# Altium PCB uZed_breakout.PcbDoc (part 2 of 5)
Units mm, origin at the board's own origin, x right, y up, seen from the top; angles counter-clockwise.
Board outline 101.6 x 80.24 mm, 4 copper layers (Top Layer, Layer 1, Layer 2, Bottom Layer), stack 0.603 mm thick; 63 components, 141 nets, 670 pads, 2215 vias.
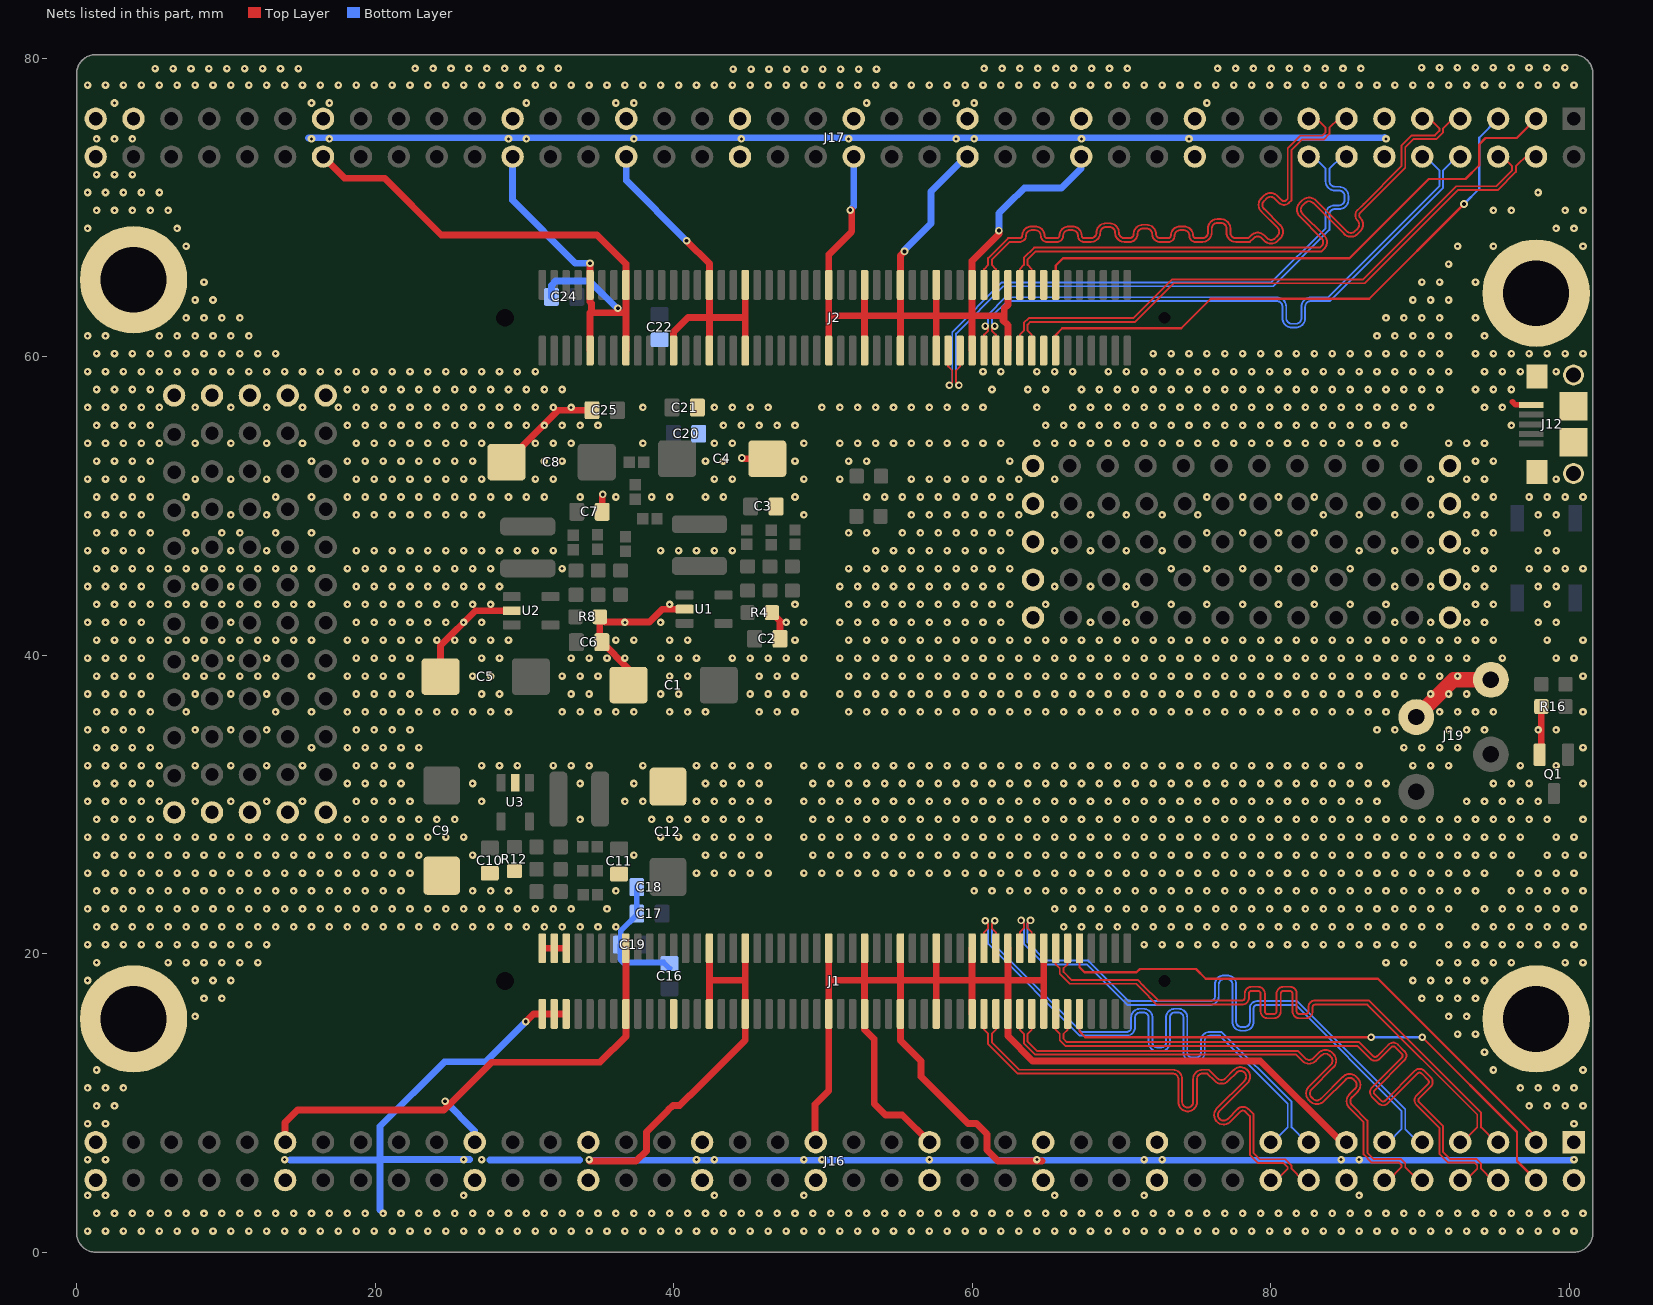
[diagram p4: the nets of this part, all layers, seen from the top]

## Via types
v1: diameter 0.508, hole 0.2, Top Layer to Bottom Layer, tented both sides, 2131 vias
v2: diameter 0.508, hole 0.254, Top Layer to Bottom Layer, tented both sides, 78 vias
v3: diameter 0.711, hole 0.381, Top Layer to Bottom Layer, tented both sides, 5 vias
v4: diameter 0.762, hole 0.381, Top Layer to Bottom Layer, tented both sides, 1 vias

## Nets (pads, with @x,y where several pads share a name; then routed paths per layer and width w, separated by ;. In a path a pad name is that pad's centre, name@x,y a point inside that pad or via, vN(x,y) a via of type N, cw(c..) or ccw(c..) an arc to the next point about the centre after c; other vN are vias at no path point) (continued)
GND: C1.2 C2.1 C3.1 C4.2 C5.2 C6.1 C7.1 C8.2 C9.2 C10.1 C11.1 C12.2 C16.1 C17.1 C18.1 C19.1 C20.1 C21.1 C22.1 C24.1 C25.1 J1.15 J1.16 J1.21 J1.22 J1.27 J1.28 J1.33 J1.34 J1.39 J1.40 J1.45 J1.46 J1.51 J1.52 J1.65 J1.66 J1.71 J1.72 J1.77 J1.85 J1.86 J1.95 J1.96 J1.97 J1.98 J1.99 J1.100 J2.15 J2.16 J2.21 J2.22 J2.27 J2.28 J2.33 J2.34 J2.39 J2.40 J2.45 J2.46 J2.51 J2.52 J2.65 J2.66 J2.71 J2.72 J2.77 J2.85 J2.86 J2.91 J2.92 J12.5 J12.6 J12.7 J12.8 J12.9 J16.1 J16.2 J16.13 J16.14 J16.23 J16.24 J16.29 J16.30 J16.35 J16.36 J16.41 J16.42 J16.47 J16.48 J16.53 J16.54 J16.59 J16.60 J16.69 J16.70 J16.79 J16.80 J17.11 J17.12 J17.21 J17.22 J17.27 J17.28 J17.33 J17.34 J17.39 J17.40 J17.45 J17.46 J17.51 J17.52 J17.57 J17.58 J17.67 J17.68 J17.77 J17.79 J17.80 J19.1 pad.0@3.81,15.621 pad.0@6.528,29.464 pad.0@6.528,57.404 pad.0@9.068,29.464 pad.0@9.068,57.404 pad.0@11.608,29.464 pad.0@11.608,57.404 pad.0@14.148,29.464 pad.0@14.148,57.404 pad.0@16.688,29.464 pad.0@16.688,57.404 pad.0@64.084,42.52 pad.0@64.084,45.06 pad.0@64.084,47.6 pad.0@64.084,50.14 pad.0@64.084,52.68 pad.0@92.024,42.52 pad.0@92.024,45.06 pad.0@92.024,47.6 pad.0@92.024,50.14 pad.0@92.024,52.68 pad.1 pad.2 pad.3 Q1.2 R4.2 R8.1 R12.2 R16.2 U1.2 U2.2 U3.2 | length 553.6
  Top Layer w0.127: J17.21@74.93,75.946 J17.21@75.235,75.946 ; J17.11@87.63,75.946 J17.11@88.214,75.946
  Top Layer w0.381: 96.215,56.972 96.416,56.772 J12.5@97.48,56.772
  Top Layer w0.457: J16.69@13.97,7.366 13.97,8.687 14.808,9.525 24.62,9.525 24.934,9.839 24.689,10.084 v2(24.689,10.109) ; J17.68@16.51,73.406 17.958,71.958 20.633,71.958 24.431,68.161 34.863,68.161 36.8,66.224 J2.86@36.8,64.811 36.8,62.992 ; C5.2@24.382,38.557 24.382,40.638 26.721,42.977 U2.2@29.155,42.977 ; 24.946,9.852 27.82,12.725 35.077,12.725 36.8,14.448 J1.85@36.8,15.961 J1.86@36.8,20.361 ; C8.2@28.801,52.934 32.281,56.413 C25.1@34.532,56.413 ; v2(30.099,15.443) 30.617,15.961 J1.99@31.2,15.961 J1.97@32,15.961 J1.95@32.8,15.961 ; J1.100@31.2,20.361 J1.98@32,20.361 J1.96@32.8,20.361 ; v1@34.366,6.096 37.49,6.096 38.176,6.782 38.176,8.052 38.672,8.547 38.684,8.547 39.637,9.5 39.637,9.512 39.954,9.83 40.41,9.83 41.07,10.49 41.097,10.49 44.8,14.193 J1.65@44.8,15.961 44.8,18.212 ; J2.91@34.4,60.411 34.4,62.95 ; v2(34.4,66.26) J2.92@34.4,64.811 34.4,63.686 34.392,63.678 34.493,63.576 34.493,63.043 34.4,62.95 ; C7.1@35.216,49.606 35.216,50.736 v2(35.255,50.775) ; J2.85@36.8,60.411 36.8,62.992 ; C1.2@36.98,37.998 36.98,39.079 C6.1@35.191,40.869 35.052,41.007 R8.1@35.052,42.57 35.408,42.215 38.379,42.215 39.243,43.078 U1.2@40.742,43.078 ; J2.77@40,60.411 40,61.666 40.97,62.636 42.4,62.636 ; v2(40.869,67.768) 42.4,66.236 J2.72@42.4,64.811 42.4,62.636 ; J1.71@42.4,15.961 42.4,18.339 ; J1.72@42.4,20.361 42.4,18.339 ; J2.71@42.4,60.411 42.4,62.636 ; v2(44.577,53.213) 44.628,53.162 C4.2@46.281,53.162 ; J1.66@44.8,20.361 44.8,18.212 ; J2.65@44.8,60.411 44.8,62.738 ; J2.66@44.8,64.811 44.8,62.738 ; R4.2@46.584,42.85 47.129,42.305 C2.1@47.129,41.097 ; J16.41@49.53,7.366 49.479,7.417 49.479,9.906 50.4,10.827 J1.51@50.4,15.961 50.4,18.212 ; J1.52@50.4,20.361 50.4,18.212 ; J2.51@50.4,60.411 50.4,62.713 ; v2(51.841,69.825) 51.943,69.825 51.943,68.402 50.4,66.859 J2.52@50.4,64.811 50.4,62.713 ; J1.46@52.8,20.361 52.8,18.212 ; J2.45@52.8,60.411 52.8,62.738 ; J2.46@52.8,64.811 52.8,62.738 ; J1.40@55.2,20.361 55.2,18.212 ; J2.39@55.2,60.411 55.2,62.738 ; v2(55.474,67.056) 55.2,66.782 J2.40@55.2,64.811 55.2,62.738 ; J16.35@57.15,7.366 55.321,9.195 54.204,9.195 53.442,9.957 53.442,14.275 52.8,14.916 J1.45@52.8,15.961 52.8,18.212 ; J1.33@57.6,15.961 57.6,18.212 ; J1.34@57.6,20.361 57.6,18.212 ; J2.33@57.6,60.411 57.6,62.738 ; J2.34@57.6,64.811 57.6,62.738 ; J1.27@60,15.961 60,18.212 ; J1.28@60,20.361 60,18.212 ; J2.27@60,60.411 60,62.738 ; v2(61.798,68.453) 61.798,68.224 60,66.426 J2.28@60,64.811 60,62.738 ; J1.22@62.4,20.361 62.4,18.212 ; J2.21@62.4,60.411 62.4,62.111 62.052,62.459 62.154,62.56 ; J2.22@62.4,64.811 62.4,63.467 62.154,63.221 62.154,62.56 ; 64.694,6.096 61.747,6.096 61.011,6.833 61.011,7.899 60.3,8.611 59.728,8.611 56.584,11.754 56.584,12.797 55.2,14.18 J1.39@55.2,15.961 55.2,18.212 ; J1.15@64.8,15.961 64.8,18.212 ; J1.16@64.8,20.361 64.8,18.212 ; J16.13@85.09,7.366 84.76,7.366 79.311,12.814 64.058,12.814 62.4,14.472 J1.21@62.4,15.961 62.4,18.212 ; Q1.2@98.034,33.329 98.145,33.44 R16.2@98.145,36.551 ; 34.4,62.95 36.758,62.95 36.8,62.992 ; 42.4,18.339 42.527,18.212 44.8,18.212 ; 42.4,62.636 44.698,62.636 44.8,62.738 ; 50.4,18.212 52.8,18.212 ; 50.4,62.713 50.425,62.738 52.8,62.738 ; 52.8,18.212 55.2,18.212 ; 52.8,62.738 55.2,62.738 ; 55.2,18.212 57.6,18.212 ; 55.2,62.738 57.6,62.738 ; 57.6,18.212 60,18.212 ; 57.6,62.738 60,62.738 ; 60,18.212 62.4,18.212 ; 60,62.738 61.976,62.738 62.154,62.56 ; 62.4,18.212 64.8,18.212
  Top Layer w1.016: J19.1@89.767,35.854 92.267,38.354 J19.1@94.767,38.354
  Bottom Layer w0.381: C18.1@37.529,24.46 C17.1@37.529,22.682 37.529,22.594 36.449,21.514 36.449,20.625 C19.1@36.424,20.599 36.424,19.609 36.627,19.406 39.331,19.406 C16.1@39.726,19.011
  Bottom Layer w0.457: 14.3,6.172 20.32,6.172 ; v1@15.545,74.651 v1@87.63,74.687 ; 20.32,2.819 20.32,6.172 ; v2(24.689,10.109) 26.67,8.128 J16.59@26.67,7.366 ; 26.34,6.198 20.32,6.198 ; 27.686,6.172 33.706,6.172 ; J17.58@29.21,73.406 29.21,70.485 33.435,66.26 v2(34.4,66.26) ; v2(30.099,15.443) 27.407,12.751 24.638,12.751 20.32,8.433 20.32,6.198 ; C24.1@31.814,64.008 31.814,64.784 32.093,65.062 34.379,65.062 36.195,63.246 v2(36.271,63.246) ; 34.671,6.147 v1@100.177,6.18 ; J17.52@36.83,73.406 36.83,71.806 v2(40.869,67.768) ; v2(51.841,69.825) 52.07,70.053 J17.40@52.07,73.406 ; v2(55.474,67.056) 55.474,67.145 57.252,68.923 57.252,71.069 59.588,73.406 J17.34@59.69,73.406 ; v2(61.798,68.453) 61.798,69.614 62.402,70.217 62.419,70.217 63.5,71.298 65.989,71.298 67.31,72.619 J17.28@67.31,73.406 ; 20.32,6.172 20.32,6.198
  other v1: 0.735,1.4 1.935,1.4 3.135,1.4 4.335,1.4 5.535,1.4 6.735,1.4 7.935,1.4 9.135,1.4 10.335,1.4 11.535,1.4 12.735,1.4 13.935,1.4 15.135,1.4 16.335,1.4 17.535,1.4 18.735,1.4 19.935,1.4 21.135,1.4 22.335,1.4 23.535,1.4 24.735,1.4 25.935,1.4 27.135,1.4 28.335,1.4 29.535,1.4 30.735,1.4 31.935,1.4 33.135,1.4 34.335,1.4 35.535,1.4 36.735,1.4 37.935,1.4 39.135,1.4 40.335,1.4 41.535,1.4 42.735,1.4 43.935,1.4 45.135,1.4 46.335,1.4 47.535,1.4 48.735,1.4 49.935,1.4 51.135,1.4 52.335,1.4 53.535,1.4 54.735,1.4 55.935,1.4 57.135,1.4 58.335,1.4 59.535,1.4 60.735,1.4 61.935,1.4 63.135,1.4 64.335,1.4 65.535,1.4 66.735,1.4 67.935,1.4 69.135,1.4 70.335,1.4 71.535,1.4 72.735,1.4 73.935,1.4 75.135,1.4 76.335,1.4 77.535,1.4 78.735,1.4 79.935,1.4 81.135,1.4 82.335,1.4 83.535,1.4 84.735,1.4 85.935,1.4 87.135,1.4 88.335,1.4 89.535,1.4 90.735,1.4 91.935,1.4 93.135,1.4 94.335,1.4 95.535,1.4 96.735,1.4 97.935,1.4 99.135,1.4 100.335,1.4 1.335,2.6 2.535,2.6 3.735,2.6 4.935,2.6 6.135,2.6 7.335,2.6 8.535,2.6 9.735,2.6 10.935,2.6 12.135,2.6 13.335,2.6 14.535,2.6 15.735,2.6 16.935,2.6 18.135,2.6 19.335,2.6 20.535,2.6 21.735,2.6 22.935,2.6 24.135,2.6 25.335,2.6 26.535,2.6 27.735,2.6 28.935,2.6 30.135,2.6 31.335,2.6 32.535,2.6 33.735,2.6 34.935,2.6 36.135,2.6 37.335,2.6 38.535,2.6 39.735,2.6 40.935,2.6 42.135,2.6 43.335,2.6 44.535,2.6 45.735,2.6 46.935,2.6 48.135,2.6 49.335,2.6 50.535,2.6 51.735,2.6 52.935,2.6 54.135,2.6 55.335,2.6 56.535,2.6 57.735,2.6 58.935,2.6 60.135,2.6 61.335,2.6 62.535,2.6 63.735,2.6 64.935,2.6 66.135,2.6 67.335,2.6 68.535,2.6 69.735,2.6 70.935,2.6 72.135,2.6 73.335,2.6 74.535,2.6 75.735,2.6 76.935,2.6 78.135,2.6 79.335,2.6 80.535,2.6 81.735,2.6 82.935,2.6 84.135,2.6 85.335,2.6 86.535,2.6 87.735,2.6 88.935,2.6 90.135,2.6 91.335,2.6 92.535,2.6 93.735,2.6 94.935,2.6 96.135,2.6 97.335,2.6 98.535,2.6 99.735,2.6 100.935,2.6 0.735,3.8 1.935,3.8 25.935,3.8 42.735,3.8 48.735,3.8 65.535,3.8 71.535,3.8 85.935,3.8 0.735,6.2 1.935,6.2 13.935,6.2 25.935,6.2 27.135,6.2 34.335,6.2 41.535,6.2 42.735,6.2 48.735,6.2 49.935,6.2 57.135,6.2 64.335,6.2 71.535,6.2 72.735,6.2 84.735,6.2 85.935,6.2 100.335,6.2 0.735,8.6 1.935,8.6 100.335,8.6 1.335,9.8 2.535,9.8 97.335,9.8 98.535,9.8 99.735,9.8 100.935,9.8 0.735,11 1.935,11 3.135,11 96.735,11 97.935,11 99.135,11 100.335,11 1.335,12.2 94.935,12.2 100.935,12.2 94.335,13.4 92.535,14.6 93.735,14.6 7.935,15.8 91.935,15.8 93.135,15.8 8.535,17 9.735,17 90.135,17 91.335,17 92.535,17 93.735,17 0.735,18.2 7.935,18.2 9.135,18.2 10.335,18.2 89.535,18.2 90.735,18.2 91.935,18.2 93.135,18.2 94.335,18.2 1.335,19.4 6.135,19.4 7.335,19.4 8.535,19.4 9.735,19.4 10.935,19.4 12.135,19.4 87.735,19.4 88.935,19.4 91.335,19.4 92.535,19.4 93.735,19.4 94.935,19.4 96.135,19.4 99.735,19.4 100.935,19.4 0.735,20.6 1.935,20.6 3.135,20.6 4.335,20.6 5.535,20.6 6.735,20.6 7.935,20.6 9.135,20.6 10.335,20.6 11.535,20.6 12.735,20.6 71.535,20.6 72.735,20.6 73.935,20.6 75.135,20.6 76.335,20.6 77.535,20.6 78.735,20.6 79.935,20.6 81.135,20.6 82.335,20.6 83.535,20.6 84.735,20.6 85.935,20.6 87.135,20.6 88.335,20.6 89.535,20.6 91.935,20.6 93.135,20.6 94.335,20.6 95.535,20.6 96.735,20.6 97.935,20.6 99.135,20.6 100.335,20.6 1.335,21.8 2.535,21.8 3.735,21.8 4.935,21.8 6.135,21.8 7.335,21.8 8.535,21.8 9.735,21.8 10.935,21.8 12.135,21.8 13.335,21.8 14.535,21.8 15.735,21.8 16.935,21.8 18.135,21.8 19.335,21.8 20.535,21.8 21.735,21.8 22.935,21.8 24.135,21.8 25.335,21.8 26.535,21.8 27.735,21.8 28.935,21.8 30.135,21.8 31.335,21.8 32.535,21.8 33.735,21.8 34.935,21.8 36.135,21.8 66.135,21.8 67.335,21.8 68.535,21.8 69.735,21.8 70.935,21.8 72.135,21.8 73.335,21.8 74.535,21.8 75.735,21.8 76.935,21.8 78.135,21.8 79.335,21.8 80.535,21.8 81.735,21.8 82.935,21.8 84.135,21.8 85.335,21.8 86.535,21.8 87.735,21.8 88.935,21.8 90.135,21.8 91.335,21.8 93.735,21.8 94.935,21.8 96.135,21.8 97.335,21.8 98.535,21.8 99.735,21.8 100.935,21.8 0.735,23 1.935,23 3.135,23 4.335,23 5.535,23 6.735,23 7.935,23 9.135,23 10.335,23 11.535,23 12.735,23 13.935,23 15.135,23 16.335,23 17.535,23 18.735,23 19.935,23 21.135,23 22.335,23 23.535,23 24.735,23 25.935,23 27.135,23 28.335,23 29.535,23 30.735,23 31.935,23 33.135,23 35.535,23 65.535,23 66.735,23 67.935,23 69.135,23 70.335,23 71.535,23 72.735,23 73.935,23 75.135,23 76.335,23 77.535,23 78.735,23 79.935,23 81.135,23 82.335,23 83.535,23 84.735,23 85.935,23 87.135,23 88.335,23 89.535,23 90.735,23 91.935,23 94.335,23 95.535,23 96.735,23 97.935,23 99.135,23 100.335,23 1.335,24.2 2.535,24.2 3.735,24.2 4.935,24.2 6.135,24.2 7.335,24.2 8.535,24.2 9.735,24.2 10.935,24.2 12.135,24.2 13.335,24.2 14.535,24.2 15.735,24.2 16.935,24.2 18.135,24.2 19.335,24.2 20.535,24.2 21.735,24.2 26.535,24.2 27.735,24.2 28.935,24.2 36.135,24.2 60.135,24.2 61.335,24.2 62.535,24.2 63.735,24.2 64.935,24.2 66.135,24.2 67.335,24.2 68.535,24.2 69.735,24.2 70.935,24.2 72.135,24.2 73.335,24.2 74.535,24.2 75.735,24.2 76.935,24.2 78.135,24.2 79.335,24.2 80.535,24.2 81.735,24.2 82.935,24.2 84.135,24.2 85.335,24.2 86.535,24.2 87.735,24.2 88.935,24.2 90.135,24.2 91.335,24.2 92.535,24.2 93.735,24.2 96.135,24.2 97.335,24.2 98.535,24.2 99.735,24.2 100.935,24.2 0.735,25.4 1.935,25.4 3.135,25.4 4.335,25.4 5.535,25.4 6.735,25.4 7.935,25.4 9.135,25.4 10.335,25.4 11.535,25.4 12.735,25.4 13.935,25.4 15.135,25.4 16.335,25.4 17.535,25.4 18.735,25.4 19.935,25.4 21.135,25.4 22.335,25.4 41.535,25.4 42.735,25.4 43.935,25.4 45.135,25.4 46.335,25.4 48.735,25.4 49.935,25.4 51.135,25.4 52.335,25.4 53.535,25.4 54.735,25.4 55.935,25.4 57.135,25.4 58.335,25.4 59.535,25.4 60.735,25.4 61.935,25.4 63.135,25.4 64.335,25.4 65.535,25.4 66.735,25.4 67.935,25.4 69.135,25.4 70.335,25.4 71.535,25.4 72.735,25.4 73.935,25.4 75.135,25.4 76.335,25.4 77.535,25.4 78.735,25.4 79.935,25.4 81.135,25.4 82.335,25.4 83.535,25.4 84.735,25.4 85.935,25.4 87.135,25.4 88.335,25.4 89.535,25.4 90.735,25.4 91.935,25.4 93.135,25.4 94.335,25.4 96.735,25.4 97.935,25.4 99.135,25.4 100.335,25.4 1.335,26.6 2.535,26.6 3.735,26.6 4.935,26.6 6.135,26.6 7.335,26.6 8.535,26.6 9.735,26.6 10.935,26.6 12.135,26.6 13.335,26.6 14.535,26.6 15.735,26.6 16.935,26.6 18.135,26.6 19.335,26.6 20.535,26.6 21.735,26.6 22.935,26.6 26.535,26.6 37.335,26.6 42.135,26.6 43.335,26.6 44.535,26.6 45.735,26.6 49.335,26.6 50.535,26.6 51.735,26.6 52.935,26.6 54.135,26.6 55.335,26.6 56.535,26.6 57.735,26.6 58.935,26.6 60.135,26.6 61.335,26.6 62.535,26.6 63.735,26.6 64.935,26.6 66.135,26.6 67.335,26.6 68.535,26.6 69.735,26.6 70.935,26.6 72.135,26.6 73.335,26.6 74.535,26.6 75.735,26.6 76.935,26.6 78.135,26.6 79.335,26.6 80.535,26.6 81.735,26.6 82.935,26.6 84.135,26.6 85.335,26.6 86.535,26.6 87.735,26.6 88.935,26.6 90.135,26.6 91.335,26.6 92.535,26.6 93.735,26.6 94.935,26.6 96.135,26.6 98.535,26.6 99.735,26.6 100.935,26.6 0.735,27.8 1.935,27.8 3.135,27.8 4.335,27.8 5.535,27.8 6.735,27.8 7.935,27.8 9.135,27.8 10.335,27.8 11.535,27.8 12.735,27.8 13.935,27.8 15.135,27.8 16.335,27.8 17.535,27.8 18.735,27.8 19.935,27.8 21.135,27.8 22.335,27.8 23.535,27.8 24.735,27.8 25.935,27.8 39.135,27.8 40.335,27.8 41.535,27.8 42.735,27.8 43.935,27.8 45.135,27.8 46.335,27.8 48.735,27.8 49.935,27.8 51.135,27.8 52.335,27.8 53.535,27.8 54.735,27.8 55.935,27.8 57.135,27.8 58.335,27.8 59.535,27.8 60.735,27.8 61.935,27.8 63.135,27.8 64.335,27.8 65.535,27.8 66.735,27.8 67.935,27.8 69.135,27.8 70.335,27.8 71.535,27.8 72.735,27.8 73.935,27.8 75.135,27.8 76.335,27.8 77.535,27.8 78.735,27.8 79.935,27.8 81.135,27.8 82.335,27.8 83.535,27.8 84.735,27.8 85.935,27.8 87.135,27.8 88.335,27.8 89.535,27.8 90.735,27.8 91.935,27.8 93.135,27.8 94.335,27.8 95.535,27.8 96.735,27.8 99.135,27.8 100.335,27.8 1.335,29 2.535,29 3.735,29 4.935,29 18.135,29 19.335,29 20.535,29 21.735,29 22.935,29 24.135,29 25.335,29 33.735,29 38.535,29 39.735,29 40.935,29 42.135,29 43.335,29 44.535,29 45.735,29 49.335,29 50.535,29 51.735,29 52.935,29 54.135,29 55.335,29 56.535,29 57.735,29 58.935,29 60.135,29 61.335,29 62.535,29 63.735,29 64.935,29 66.135,29 67.335,29 68.535,29 69.735,29 70.935,29 72.135,29 73.335,29 74.535,29 75.735,29 76.935,29 78.135,29 79.335,29 80.535,29 81.735,29 82.935,29 84.135,29 85.335,29 86.535,29 87.735,29 88.935,29 90.135,29 91.335,29 92.535,29 93.735,29 94.935,29 96.135,29 97.335,29 98.535,29 100.935,29 0.735,30.2 1.935,30.2 3.135,30.2 4.335,30.2 5.535,30.2 7.935,30.2 10.335,30.2 12.735,30.2 15.135,30.2 18.735,30.2 19.935,30.2 21.135,30.2 22.335,30.2 27.135,30.2 36.735,30.2 37.935,30.2 41.535,30.2 42.735,30.2 43.935,30.2 45.135,30.2 46.335,30.2 48.735,30.2 49.935,30.2 51.135,30.2 52.335,30.2 53.535,30.2 54.735,30.2 55.935,30.2 57.135,30.2 58.335,30.2 59.535,30.2 60.735,30.2 61.935,30.2 63.135,30.2 64.335,30.2 65.535,30.2 66.735,30.2 67.935,30.2 69.135,30.2 70.335,30.2 71.535,30.2 72.735,30.2 73.935,30.2 75.135,30.2 76.335,30.2 77.535,30.2 78.735,30.2 79.935,30.2 81.135,30.2 82.335,30.2 83.535,30.2 84.735,30.2 85.935,30.2 87.135,30.2 93.135,30.2 94.335,30.2 95.535,30.2 96.735,30.2 97.935,30.2 1.335,31.4 2.535,31.4 3.735,31.4 4.935,31.4 18.135,31.4 19.335,31.4 20.535,31.4 21.735,31.4 26.535,31.4 33.735,31.4 37.335,31.4 42.135,31.4 43.335,31.4 44.535,31.4 45.735,31.4 49.335,31.4 50.535,31.4 51.735,31.4 52.935,31.4 54.135,31.4 55.335,31.4 56.535,31.4 57.735,31.4 58.935,31.4 60.135,31.4 61.335,31.4 62.535,31.4 63.735,31.4 64.935,31.4 66.135,31.4 67.335,31.4 68.535,31.4 69.735,31.4 70.935,31.4 72.135,31.4 73.335,31.4 74.535,31.4 75.735,31.4 76.935,31.4 78.135,31.4 79.335,31.4 80.535,31.4 81.735,31.4 82.935,31.4 84.135,31.4 85.335,31.4 86.535,31.4 87.735,31.4 94.935,31.4 96.135,31.4 97.335,31.4 100.935,31.4 0.735,32.6 1.935,32.6 3.135,32.6 4.335,32.6 5.535,32.6 7.935,32.6 10.335,32.6 12.735,32.6 15.135,32.6 18.735,32.6 19.935,32.6 21.135,32.6 22.335,32.6 27.135,32.6 28.335,32.6 29.535,32.6 31.935,32.6 33.135,32.6 34.335,32.6 37.935,32.6 41.535,32.6 42.735,32.6 43.935,32.6 45.135,32.6 46.335,32.6 48.735,32.6 49.935,32.6 51.135,32.6 52.335,32.6 53.535,32.6 54.735,32.6 55.935,32.6 57.135,32.6 58.335,32.6 59.535,32.6 60.735,32.6 61.935,32.6 63.135,32.6 64.335,32.6 65.535,32.6 66.735,32.6 67.935,32.6 69.135,32.6 70.335,32.6 71.535,32.6 72.735,32.6 73.935,32.6 75.135,32.6 76.335,32.6 77.535,32.6 78.735,32.6 79.935,32.6 81.135,32.6 82.335,32.6 83.535,32.6 84.735,32.6 85.935,32.6 89.535,32.6 90.735,32.6 91.935,32.6 96.735,32.6 99.135,32.6 1.335,33.8 2.535,33.8 3.735,33.8 4.935,33.8 15.735,33.8 18.135,33.8 19.335,33.8 20.535,33.8 21.735,33.8 22.935,33.8 88.935,33.8 90.135,33.8 91.335,33.8 92.535,33.8 100.935,33.8 0.735,35 1.935,35 3.135,35 4.335,35 7.935,35 10.335,35 12.735,35 18.735,35 19.935,35 21.135,35 22.335,35 87.135,35 88.335,35 91.935,35 93.135,35 94.335,35 97.935,35 99.135,35 1.335,36.2 2.535,36.2 3.735,36.2 4.935,36.2 7.335,36.2 13.335,36.2 15.735,36.2 18.135,36.2 19.335,36.2 20.535,36.2 21.735,36.2 22.935,36.2 24.135,36.2 25.335,36.2 26.535,36.2 27.735,36.2 28.935,36.2 32.535,36.2 33.735,36.2 34.935,36.2 36.135,36.2 37.335,36.2 39.735,36.2 40.935,36.2 42.135,36.2 45.735,36.2 46.935,36.2 48.135,36.2 51.735,36.2 52.935,36.2 54.135,36.2 55.335,36.2 56.535,36.2 57.735,36.2 58.935,36.2 60.135,36.2 61.335,36.2 62.535,36.2 63.735,36.2 64.935,36.2 66.135,36.2 67.335,36.2 68.535,36.2 69.735,36.2 70.935,36.2 72.135,36.2 73.335,36.2 74.535,36.2 75.735,36.2 76.935,36.2 78.135,36.2 79.335,36.2 80.535,36.2 81.735,36.2 82.935,36.2 84.135,36.2 85.335,36.2 86.535,36.2 87.735,36.2 91.335,36.2 92.535,36.2 93.735,36.2 94.935,36.2 100.935,36.2 0.735,37.4 1.935,37.4 3.135,37.4 4.335,37.4 7.935,37.4 10.335,37.4 12.735,37.4 18.735,37.4 19.935,37.4 21.135,37.4 22.335,37.4 27.135,37.4 28.335,37.4 33.135,37.4 34.335,37.4 39.135,37.4 40.335,37.4 45.135,37.4 46.335,37.4 47.535,37.4 48.735,37.4 51.135,37.4 52.335,37.4 53.535,37.4 54.735,37.4 55.935,37.4 57.135,37.4 58.335,37.4 59.535,37.4 60.735,37.4 61.935,37.4 63.135,37.4 64.335,37.4 65.535,37.4 66.735,37.4 67.935,37.4 69.135,37.4 70.335,37.4 71.535,37.4 72.735,37.4 73.935,37.4 75.135,37.4 76.335,37.4 77.535,37.4 78.735,37.4 79.935,37.4 81.135,37.4 82.335,37.4 83.535,37.4 84.735,37.4 85.935,37.4 87.135,37.4 88.335,37.4 90.735,37.4 91.935,37.4 93.135,37.4 1.335,38.6 2.535,38.6 3.735,38.6 4.935,38.6 7.335,38.6 8.535,38.6 9.735,38.6 10.935,38.6 12.135,38.6 13.335,38.6 15.735,38.6 18.135,38.6 19.335,38.6 20.535,38.6 21.735,38.6 26.535,38.6 27.735,38.6 32.535,38.6 33.735,38.6 34.935,38.6 39.735,38.6 40.935,38.6 45.735,38.6 46.935,38.6 48.135,38.6 51.735,38.6 52.935,38.6 54.135,38.6 55.335,38.6 56.535,38.6 57.735,38.6 58.935,38.6 60.135,38.6 61.335,38.6 62.535,38.6 63.735,38.6 64.935,38.6 66.135,38.6 67.335,38.6 68.535,38.6 69.735,38.6 70.935,38.6 72.135,38.6 73.335,38.6 74.535,38.6 75.735,38.6 76.935,38.6 78.135,38.6 79.335,38.6 80.535,38.6 81.735,38.6 82.935,38.6 84.135,38.6 85.335,38.6 86.535,38.6 87.735,38.6 88.935,38.6 90.135,38.6 91.335,38.6 92.535,38.6 100.935,38.6 0.735,39.8 1.935,39.8 3.135,39.8 4.335,39.8 7.935,39.8 10.335,39.8 12.735,39.8 18.735,39.8 19.935,39.8 21.135,39.8 22.335,39.8 27.135,39.8 28.335,39.8 33.135,39.8 34.335,39.8 35.535,39.8 36.735,39.8 39.135,39.8 40.335,39.8 41.535,39.8 43.935,39.8 45.135,39.8 46.335,39.8 47.535,39.8 48.735,39.8 51.135,39.8 52.335,39.8 53.535,39.8 54.735,39.8 55.935,39.8 57.135,39.8 58.335,39.8 59.535,39.8 60.735,39.8 61.935,39.8 63.135,39.8 64.335,39.8 65.535,39.8 66.735,39.8 67.935,39.8 69.135,39.8 70.335,39.8 71.535,39.8 72.735,39.8 73.935,39.8 75.135,39.8 76.335,39.8 77.535,39.8 78.735,39.8 79.935,39.8 81.135,39.8 82.335,39.8 83.535,39.8 84.735,39.8 85.935,39.8 87.135,39.8 88.335,39.8 89.535,39.8 90.735,39.8 91.935,39.8 93.135,39.8 95.535,39.8 99.135,39.8 100.335,39.8 1.335,41 2.535,41 3.735,41 4.935,41 6.135,41 7.335,41 8.535,41 9.735,41 10.935,41 12.135,41 13.335,41 14.535,41 15.735,41 18.135,41 19.335,41 20.535,41 21.735,41 22.935,41 24.135,41 25.335,41 26.535,41 27.735,41 28.935,41 36.135,41 37.335,41 39.735,41 40.935,41 48.135,41 51.735,41 52.935,41 54.135,41 55.335,41 56.535,41 57.735,41 58.935,41 60.135,41 61.335,41 62.535,41 63.735,41 64.935,41 66.135,41 67.335,41 68.535,41 69.735,41 70.935,41 72.135,41 73.335,41 74.535,41 75.735,41 76.935,41 78.135,41 79.335,41 80.535,41 81.735,41 82.935,41 84.135,41 85.335,41 86.535,41 87.735,41 88.935,41 90.135,41 91.335,41 92.535,41 93.735,41 94.935,41 98.535,41 100.935,41 0.735,42.2 1.935,42.2 3.135,42.2 4.335,42.2 10.335,42.2 18.735,42.2 19.935,42.2 21.135,42.2 22.335,42.2 23.535,42.2 24.735,42.2 25.935,42.2 27.135,42.2 36.735,42.2 39.135,42.2 47.535,42.2 48.735,42.2 51.135,42.2 52.335,42.2 53.535,42.2 54.735,42.2 55.935,42.2 57.135,42.2 58.335,42.2 59.535,42.2 60.735,42.2 61.935,42.2 67.935,42.2 70.335,42.2 88.335,42.2 90.735,42.2 93.135,42.2 94.335,42.2 97.935,42.2 99.135,42.2 1.335,43.4 2.535,43.4 3.735,43.4 4.935,43.4 6.135,43.4 7.335,43.4 8.535,43.4 9.735,43.4 10.935,43.4 12.135,43.4 13.335,43.4 14.535,43.4 15.735,43.4 18.135,43.4 19.335,43.4 20.535,43.4 21.735,43.4 22.935,43.4 24.135,43.4 25.335,43.4 26.535,43.4 27.735,43.4 39.735,43.4 48.135,43.4 51.735,43.4 52.935,43.4 54.135,43.4 55.335,43.4 56.535,43.4 57.735,43.4 58.935,43.4 60.135,43.4 61.335,43.4 62.535,43.4 64.935,43.4 70.935,43.4 73.335,43.4 75.735,43.4 78.135,43.4 80.535,43.4 82.935,43.4 85.335,43.4 87.735,43.4 93.735,43.4 94.935,43.4 98.535,43.4 0.735,44.6 1.935,44.6 3.135,44.6 4.335,44.6 7.935,44.6 10.335,44.6 18.735,44.6 19.935,44.6 21.135,44.6 22.335,44.6 23.535,44.6 24.735,44.6 25.935,44.6 27.135,44.6 28.335,44.6 51.135,44.6 52.335,44.6 53.535,44.6 54.735,44.6 55.935,44.6 57.135,44.6 58.335,44.6 59.535,44.6 60.735,44.6 61.935,44.6 65.535,44.6 67.935,44.6 70.335,44.6 88.335,44.6 90.735,44.6 93.135,44.6 94.335,44.6 97.935,44.6 99.135,44.6 1.335,45.8 2.535,45.8 3.735,45.8 4.935,45.8 6.135,45.8 7.335,45.8 8.535,45.8 9.735,45.8 10.935,45.8 12.135,45.8 13.335,45.8 14.535,45.8 15.735,45.8 18.135,45.8 19.335,45.8 20.535,45.8 21.735,45.8 22.935,45.8 24.135,45.8 25.335,45.8 26.535,45.8 27.735,45.8 32.535,45.8 51.735,45.8 52.935,45.8 54.135,45.8 55.335,45.8 56.535,45.8 57.735,45.8 58.935,45.8 60.135,45.8 61.335,45.8 62.535,45.8 73.335,45.8 75.735,45.8 78.135,45.8 80.535,45.8 82.935,45.8 85.335,45.8 93.735,45.8 94.935,45.8 97.335,45.8 98.535,45.8 99.735,45.8 100.935,45.8 0.735,47 1.935,47 3.135,47 4.335,47 7.935,47 10.335,47 12.735,47 18.735,47 19.935,47 21.135,47 22.335,47 23.535,47 24.735,47 25.935,47 27.135,47 28.335,47 29.535,47 30.735,47 31.935,47 39.135,47 40.335,47 41.535,47 42.735,47 43.935,47 53.535,47 54.735,47 55.935,47 57.135,47 58.335,47 59.535,47 60.735,47 61.935,47 65.535,47 67.935,47 70.335,47 72.735,47 85.935,47 88.335,47 90.735,47 93.135,47 94.335,47 97.935,47 99.135,47 1.335,48.2 2.535,48.2 3.735,48.2 4.935,48.2 7.335,48.2 9.735,48.2 10.935,48.2 13.335,48.2 15.735,48.2 51.735,48.2 52.935,48.2 55.335,48.2 56.535,48.2 57.735,48.2 58.935,48.2 60.135,48.2 61.335,48.2 62.535,48.2 75.735,48.2 78.135,48.2 80.535,48.2 82.935,48.2 93.735,48.2 94.935,48.2 98.535,48.2 0.735,49.4 1.935,49.4 3.135,49.4 4.335,49.4 7.935,49.4 10.335,49.4 12.735,49.4 18.735,49.4 19.935,49.4 21.135,49.4 22.335,49.4 23.535,49.4 24.735,49.4 25.935,49.4 27.135,49.4 48.735,49.4 55.935,49.4 57.135,49.4 58.335,49.4 59.535,49.4 60.735,49.4 61.935,49.4 63.135,49.4 65.535,49.4 67.935,49.4 70.335,49.4 72.735,49.4 75.135,49.4 83.535,49.4 85.935,49.4 88.335,49.4 90.735,49.4 93.135,49.4 94.335,49.4 97.935,49.4 99.135,49.4 1.335,50.6 2.535,50.6 3.735,50.6 4.935,50.6 7.335,50.6 13.335,50.6 15.735,50.6 18.135,50.6 19.335,50.6 20.535,50.6 21.735,50.6 22.935,50.6 24.135,50.6 25.335,50.6 26.535,50.6 27.735,50.6 28.935,50.6 30.135,50.6 31.335,50.6 33.735,50.6 36.135,50.6 38.535,50.6 39.735,50.6 42.135,50.6 43.335,50.6 48.135,50.6 52.935,50.6 54.135,50.6 55.335,50.6 56.535,50.6 57.735,50.6 58.935,50.6 60.135,50.6 61.335,50.6 62.535,50.6 75.735,50.6 78.135,50.6 80.535,50.6 82.935,50.6 93.735,50.6 94.935,50.6 97.335,50.6 98.535,50.6 99.735,50.6 100.935,50.6 0.735,51.8 1.935,51.8 3.135,51.8 4.335,51.8 7.935,51.8 10.335,51.8 12.735,51.8 18.735,51.8 19.935,51.8 21.135,51.8 22.335,51.8 23.535,51.8 24.735,51.8 25.935,51.8 27.135,51.8 30.735,51.8 31.935,51.8 42.735,51.8 43.935,51.8 48.735,51.8 51.135,51.8 55.935,51.8 57.135,51.8 58.335,51.8 59.535,51.8 60.735,51.8 61.935,51.8 63.135,51.8 65.535,51.8 90.735,51.8 93.135,51.8 94.335,51.8 99.135,51.8 1.335,53 2.535,53 3.735,53 4.935,53 15.735,53 18.135,53 19.335,53 20.535,53 21.735,53 22.935,53 24.135,53 25.335,53 26.535,53 31.335,53 32.535,53 42.135,53 43.335,53 48.135,53 51.735,53 52.935,53 62.535,53 93.735,53 94.935,53 0.735,54.2 1.935,54.2 3.135,54.2 4.335,54.2 5.535,54.2 7.935,54.2 10.335,54.2 12.735,54.2 15.135,54.2 18.735,54.2 19.935,54.2 21.135,54.2 22.335,54.2 23.535,54.2 24.735,54.2 25.935,54.2 27.135,54.2 30.735,54.2 31.935,54.2 33.135,54.2 37.935,54.2 42.735,54.2 43.935,54.2 48.735,54.2 51.135,54.2 52.335,54.2 53.535,54.2 54.735,54.2 55.935,54.2 57.135,54.2 58.335,54.2 59.535,54.2 60.735,54.2 61.935,54.2 64.335,54.2 65.535,54.2 66.735,54.2 67.935,54.2 69.135,54.2 70.335,54.2 71.535,54.2 72.735,54.2 73.935,54.2 75.135,54.2 76.335,54.2 77.535,54.2 78.735,54.2 79.935,54.2 81.135,54.2 82.335,54.2 83.535,54.2 84.735,54.2 85.935,54.2 87.135,54.2 88.335,54.2 91.935,54.2 93.135,54.2 94.335,54.2 1.335,55.4 2.535,55.4 3.735,55.4 4.935,55.4 18.135,55.4 19.335,55.4 20.535,55.4 21.735,55.4 22.935,55.4 24.135,55.4 25.335,55.4 26.535,55.4 27.735,55.4 28.935,55.4 30.135,55.4 31.335,55.4 32.535,55.4 33.735,55.4 34.935,55.4 43.335,55.4 44.535,55.4 45.735,55.4 46.935,55.4 48.135,55.4 64.935,55.4 66.135,55.4 67.335,55.4 68.535,55.4 69.735,55.4 70.935,55.4 72.135,55.4 73.335,55.4 74.535,55.4 75.735,55.4 76.935,55.4 78.135,55.4 79.335,55.4 80.535,55.4 81.735,55.4 82.935,55.4 84.135,55.4 85.335,55.4 86.535,55.4 87.735,55.4 88.935,55.4 96.135,55.4 0.735,56.6 1.935,56.6 3.135,56.6 4.335,56.6 5.535,56.6 7.935,56.6 10.335,56.6 12.735,56.6 15.135,56.6 17.535,56.6 18.735,56.6 19.935,56.6 21.135,56.6 22.335,56.6 23.535,56.6 24.735,56.6 25.935,56.6 27.135,56.6 28.335,56.6 29.535,56.6 30.735,56.6 31.935,56.6 33.135,56.6 37.935,56.6 42.735,56.6 43.935,56.6 45.135,56.6 46.335,56.6 49.935,56.6 51.135,56.6 52.335,56.6 53.535,56.6 54.735,56.6 55.935,56.6 